# Altium PCB CHILD_BOARD.PcbDoc (part 1 of 2)
Units mm, origin at the board's own origin, x right, y up, seen from the top; angles counter-clockwise.
Board outline 130 x 120 mm, 4 copper layers (Top Layer, GND, PWR, Bottom Layer), stack 1.57 mm thick; 181 components, 106 nets, 543 pads, 39 vias.
Unrouted connection lines stored in the file: 260.
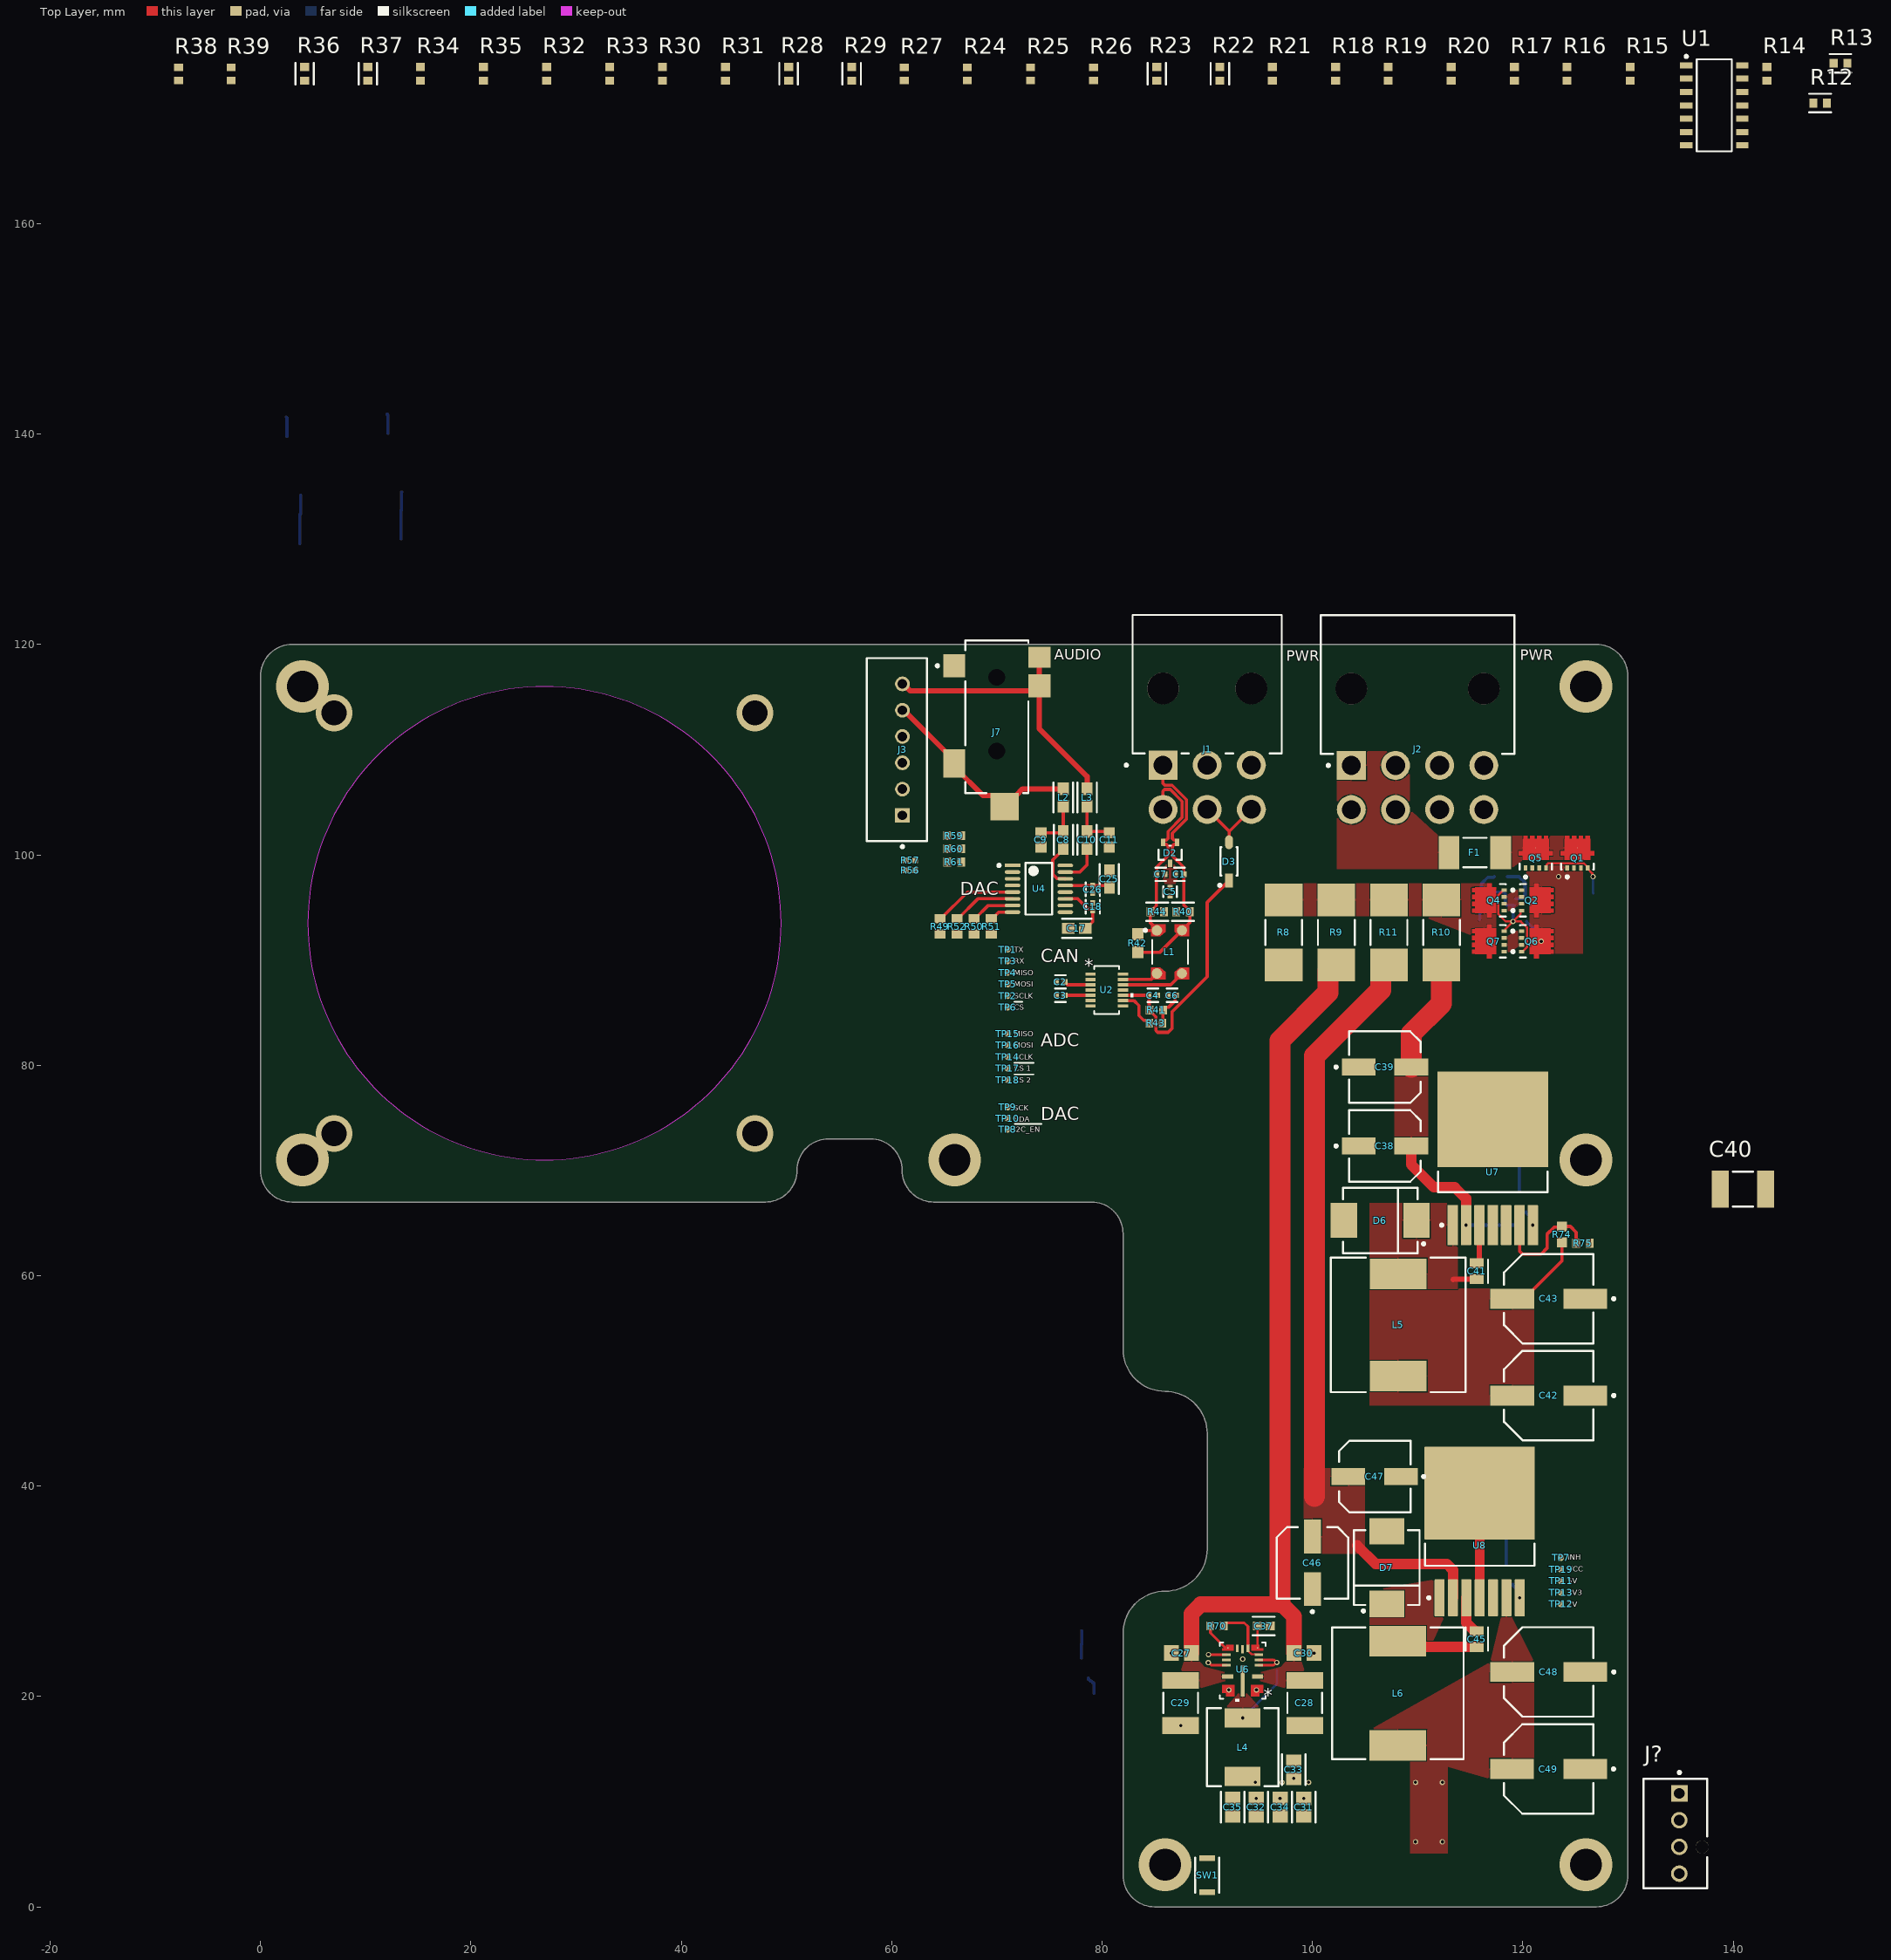
[diagram p0: Top Layer view]
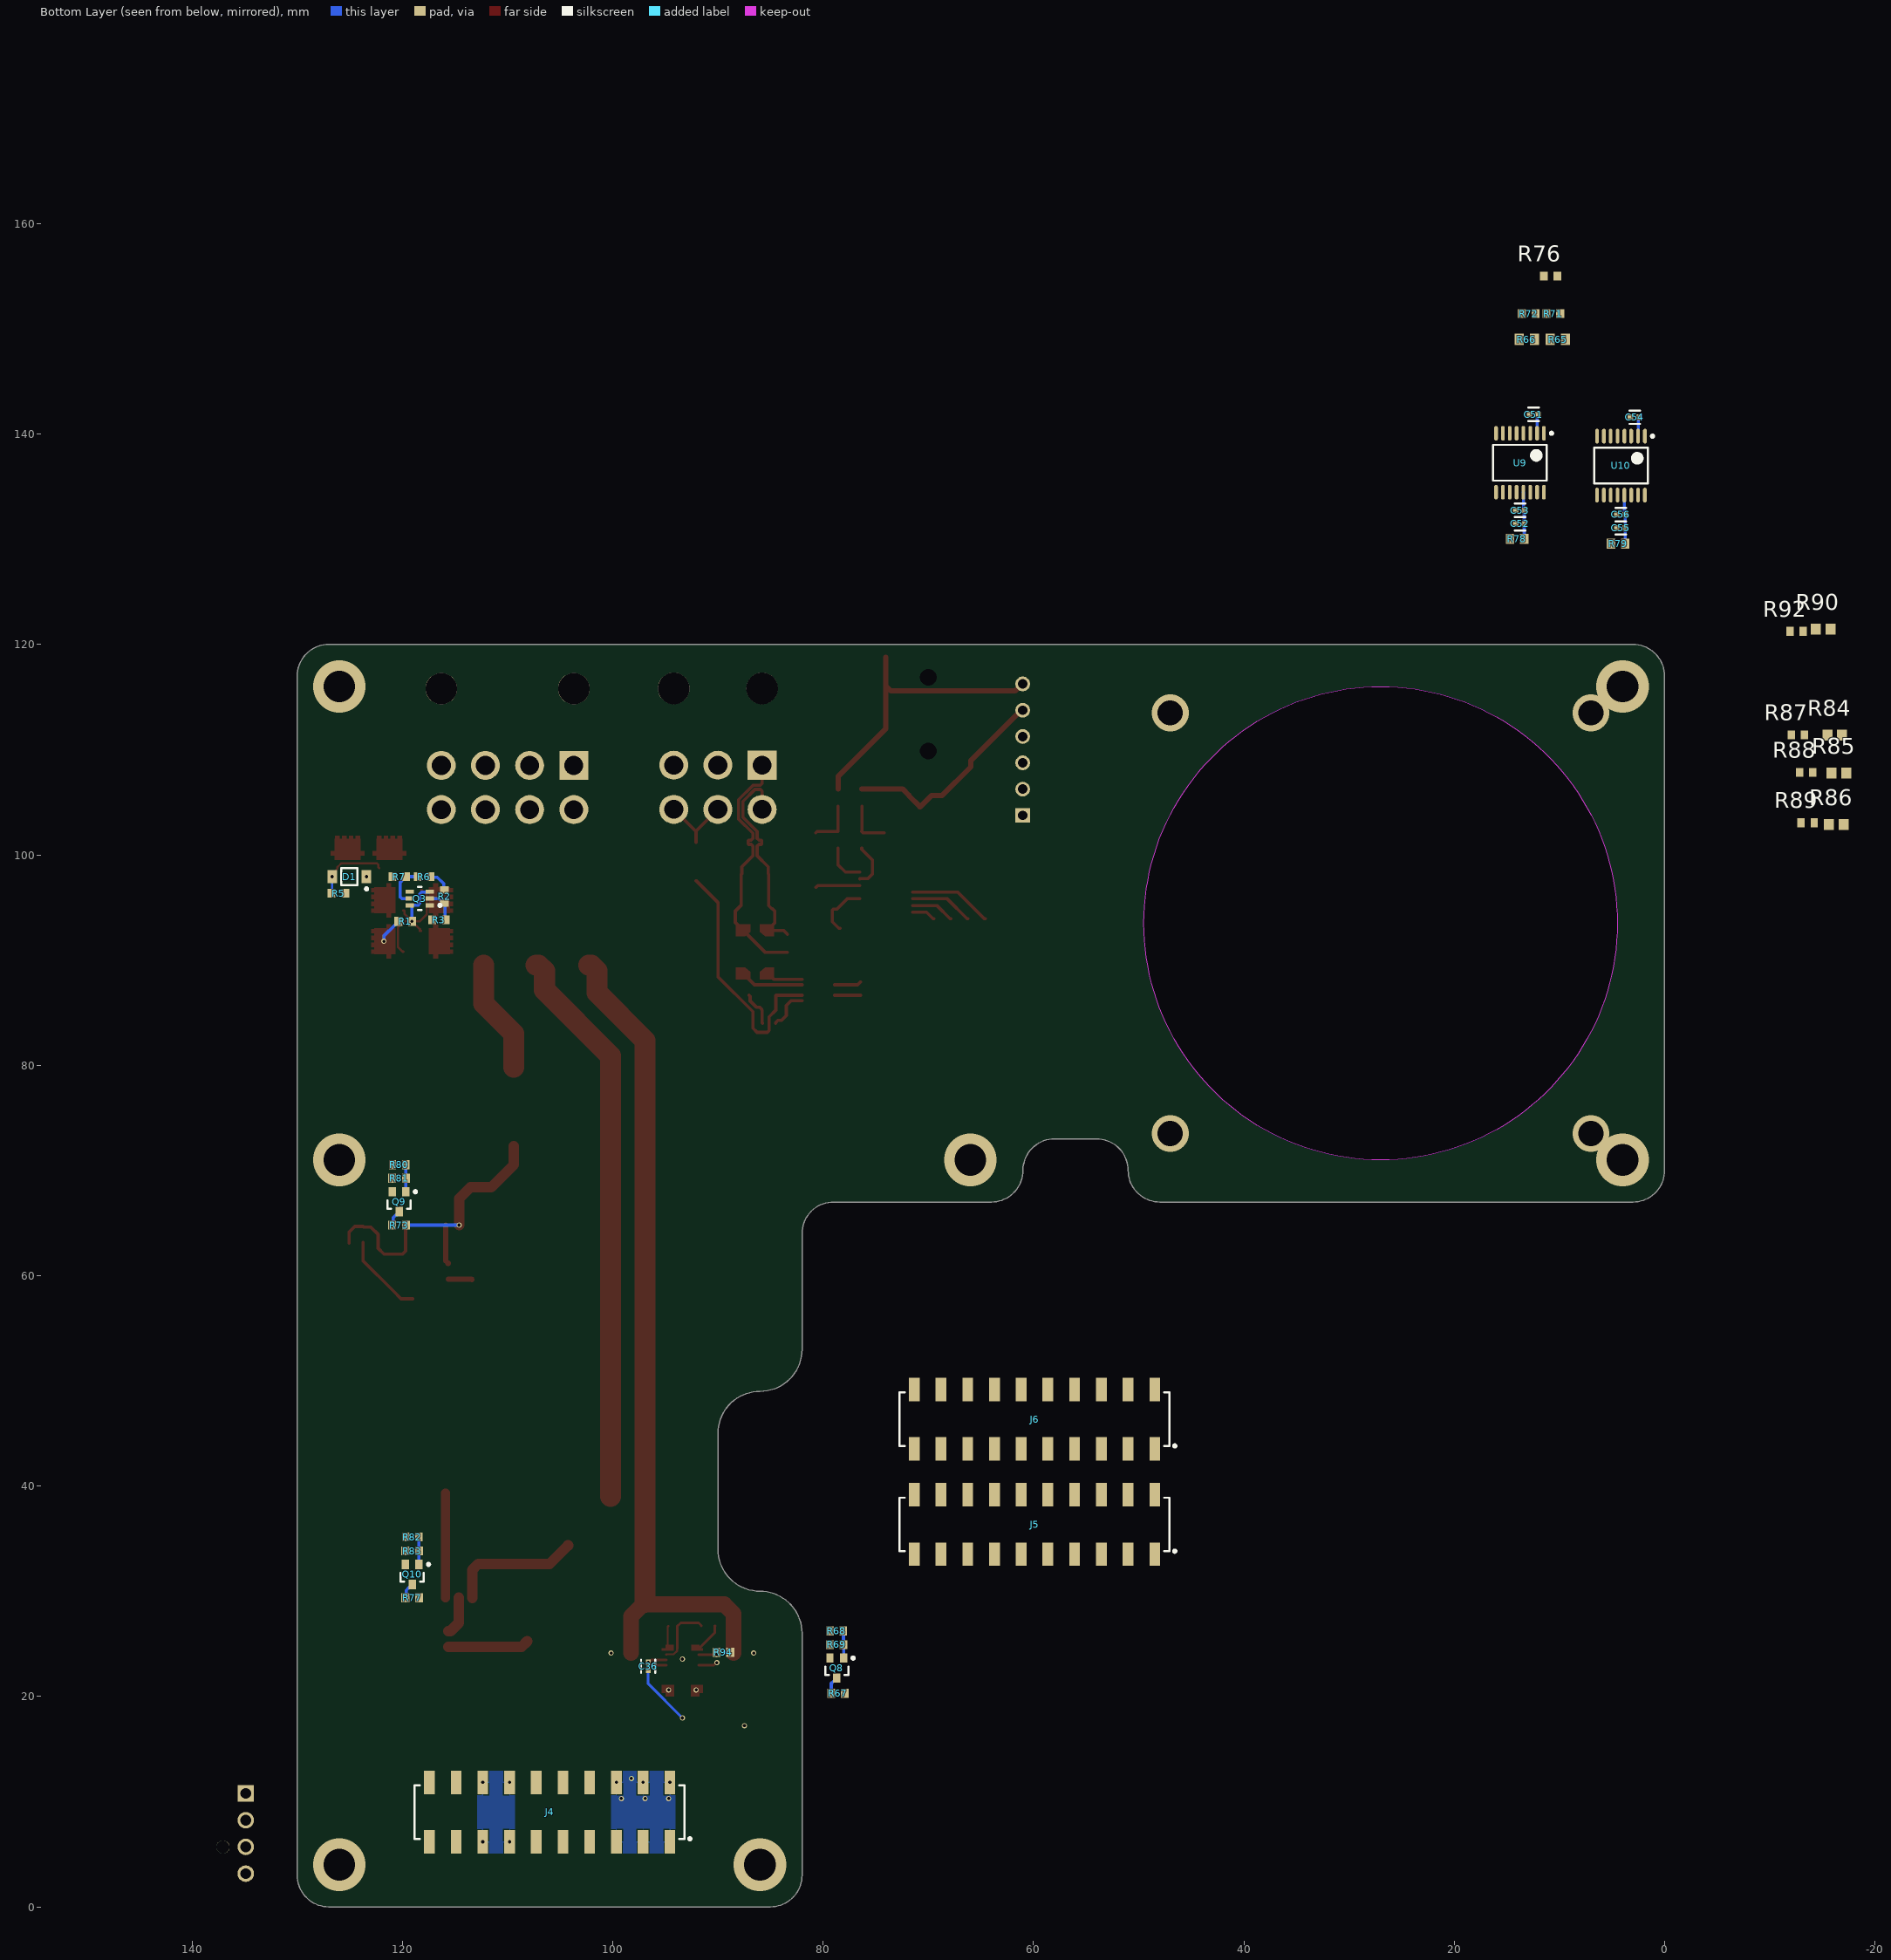
[diagram p1: Bottom Layer view, seen from below]

## Layer stack, top to bottom
Top Solder: solder mask 0.0127, Solder Resist, Dk 3.8
Top Layer: signal copper 0.035
Dielectric 1: prepreg 0.1, 2313, Dk 4.05
GND: signal copper 0.0175
Core: core 1.265, FR-4, Dk 4.5
PWR: signal copper 0.0175
Dielectric 2: prepreg 0.1, 2313, Dk 4.05
Bottom Layer: signal copper 0.035
Bottom Solder: solder mask 0.0127, Solder Resist, Dk 3.8

## Board outline
3,67 48,67 ccw(c48,70) 51,70 cw(c54,70) 54,73 58,73 cw(c58,70) 61,70 ccw(c64,70) 64,67 79,67 cw(c79,64) 82,64 82,53 ccw(c86,53) 86,49 cw(c86,45) 90,45 90,34 cw(c86,34) 86,30 ccw(c86,26) 82,26 82,3 ccw(c85,3) 85,0 127,0 ccw(c127,3) 130,3 130,117 ccw(c127,117) 127,120 3,120 ccw(c3,117) 0,117 0,70 ccw(c3,70)
cut-out: 4.5,93.5 ccw(c27,93.5) 27,71 ccw(c27,93.5) 49.5,93.5 ccw(c27,93.5) 27,116 ccw(c27,93.5)

## Design rules (kind name [scope] priority, off if disabled: settings)
BoardOutlineClearance [All] p1: gap=0.2 ignorepadtopadclearanceinfootprint=FALSE
Clearance [All] p1: gap=0.102 ignorepadtopadclearanceinfootprint=FALSE except(0.127: Arc-Via Track-Via SMDPad-Via THPad-Via Via-Via Via-Fill Via-Poly Via-Region Via-Text; 0.25: Arc-Hole Track-Hole SMDPad-Hole THPad-Hole Via-Hole Fill-Hole Poly-Hole Region-Hole Text-Hole)
ComponentClearance [All] p1: gap=0.102 collisioncheckmode=3 verticalgap=0.102 showdistances=TRUE
DiffPairsRouting [All] p1: maxlimit=0.102 minlimit=0.102 mostfreqgap=0.102 toplayer_minwidth=0.102 toplayer_maxwidth=1816.048 toplayer_prefwidth=0.102 midlayer1_minwidth=0.102 midlayer1_maxwidth=1816.048 midlayer1_prefwidth=0.102 midlayer2_minwidth=0.102 midlayer2_maxwidth=1816.048 midlayer2_prefwidth=0.102 bottomlayer_minwidth=0.102 bottomlayer_maxwidth=1816.048 bottomlayer_prefwidth=0.102 maxuncoupledlength=12.7
Height [All] p1: minheight=0 maxheight=1816.048 prefheight=12.7
HoleSize [All] p1: absolutevalues=TRUE maxlimit=6.3 minlimit=0.2 maxpercent=80.000 minpercent=20.000
HoleToHoleClearance [All] p1: gap=0.25 allowstackedmicrovias=FALSE
MinimumAnnularRing [All] p1: minimumring=0.076
MinimumSolderMaskSliver [All] p1: minsoldermaskwidth=0
PlaneClearance [All] p1: clearance=0.102
PlaneConnect PlaneConnectPowerPads [InPadClass('PowerPads')] p1: planeconnectstyle=Direct reliefexpansion=0.508 reliefentries=4 reliefconductorwidth=0.254 reliefairgap=0.254
PlaneConnect [All] p2: pad.planeconnectstyle=Relief pad.reliefexpansion=0.3 pad.reliefentries=4 pad.reliefconductorwidth=0.102 pad.reliefairgap=0.102 via.planeconnectstyle=Direct via.reliefexpansion=0.3 via.reliefentries=4 via.reliefconductorwidth=0.127 via.reliefairgap=0.127
PolygonConnect PolygonConnectPowerPads [All vs (InPadClass('PowerPads'))] p1: connectstyle=Direct reliefconductorwidth=0.254 reliefentries=4 polygonreliefangle="90 Angle" airgapwidth=0.254
PolygonConnect [All] p2: thpad.connectstyle=Relief thpad.reliefconductorwidth=0.102 thpad.reliefentries=4 thpad.polygonreliefangle="90 Angle" thpad.airgapwidth=0.102 smdpad.connectstyle=Relief smdpad.reliefconductorwidth=0.102 smdpad.reliefentries=4 smdpad.polygonreliefangle="90 Angle" smdpad.airgapwidth=0.102 via.connectstyle=Direct via.reliefconductorwidth=0.127 via.reliefentries=4 via.polygonreliefangle="90 Angle" via.airgapwidth=0.127
RoutingVias [All] p1: holewidth=0.2 width=0.45 viastyle="Through Hole" minholewidth=0.2 minwidth=0.45 maxholewidth=6.3 maxwidth=6.55
SilkToSilkClearance [All] p1: silktosilkclearance=0
SilkToSolderMaskClearance [IsPad] p1: minsilkscreentomaskgap=0.102 clearancetoexposedcopper=TRUE
SolderMaskExpansion [All] p1: expansion=0.075 istentingtop=FALSE
Width [All] p1: maxlimit=1816.048 minlimit=0.102 preferedwidth=0.102
20 further rules are at their usual default settings.

## Classes and differential pairs
component class FAN_IF: J?
net class 120DIFF: CAN_N CAN_P PRE_CAN1_N PRE_CAN1_P
component class PWR_MGMT: D1 F1 Q1 Q2 Q3 Q4 Q5 Q6 Q7 R1 R2 R3 R5 R6 R7 R8 R9 R10 R11 R12 R13 R14 R15 R16 R17 R18 R19 R20 R21 R22 R23 R24 R25 R26 R27 R28 R29 R30 R31 R32 R33 R34 R35 R36 R37 R38 R39 TP19 U1
component class CHILD_BOARD: J1 J2 J4 J5 J6
component class CAN: C1 C2 C3 C4 C5 C6 C7 D2 D3 L1 R40 R41 R42 R43 R44 SW1 TP1 TP2 TP3 TP4 TP5 TP6 TP7 U2
component class DAC: C8 C9 C10 C11 C17 C18 C25 C26 J3 J7 L2 L3 R49 R50 R51 R52 R56 R57 R59 R60 R61 TP8 TP9 TP10 U4
component class ADC: C51 C52 C53 C54 C55 C56 R78 R79 R84 R85 R86 R87 R88 R89 R90 R92 TP14 TP15 TP16 TP17 TP18 U9 U10
component class 5V_MAIN: C27 C28 C29 C30 C31 C32 C33 C34 C35 C36 C37 L4 Q8 R65 R66 R67 R68 R69 R70 R94 TP11 U6
component class 5V_AUX: C38 C39 C40 C41 C42 C43 D6 L5 Q9 R71 R72 R73 R74 R75 R80 R81 TP12 U7
component class 3V3_AUX: C45 C46 C47 C48 C49 D7 L6 Q10 R76 R77 R82 R83 TP13 U8
differential pair CAN: +CAN_P -CAN_N
differential pair PRE_CAN1: +PRE_CAN1_P -PRE_CAN1_N

## Components (designator, comment, footprint, x,y, rotation, side; value= is the part's Value field where it differs from the comment)
C1 "C0402C104K8PACTU" FP-C0402-BB-MFG 87.375,98.15 r180 top value="0.10 μF"
C2 "C0402C104K8PACTU" FP-C0402-BB-MFG 76.05,87.925 r0 top value="0.10 μF"
C3 "C0402C104K8PACTU" FP-C0402-BB-MFG 76.05,86.65 r0 top value="0.10 μF"
C4 "C0402C104K8PACTU" FP-C0402-BB-MFG 84.85,86.65 r180 top value="0.10 μF"
C5 "C0402C104K8PACTU" FP-C0402-BB-MFG 86.475,96.5 r90 top value="0.10 μF"
C6 "C0402C104K8PACTU" FP-C0402-BB-MFG 86.65,86.65 r0 top value="0.10 μF"
C7 "C0402C104K8PACTU" FP-C0402-BB-MFG 85.575,98.15 r180 top value="0.10 μF"
C8 "GRM188R60J106ME47D" FP-GRM188-0_1-e0_2_0_55-IPC_A 76.325,101.423 r90 top
C9 "0603 CAP" CAPC1608X90X40ML10T20 74.2,101.423 r90 top
C10 "GRM188R60J106ME47D" FP-GRM188-0_1-e0_2_0_55-IPC_A 78.575,101.423 r90 top
C11 "0603 CAP" CAPC1608X90X40ML10T20 80.7,101.423 r90 top
C17 "GRM188R60J106ME47D" FP-GRM188-0_1-e0_2_0_55-IPC_A 77.6,93.025 r0 top
C18 "C1005X7R1H104K050BB" FP-C1005-050-0_05-IPC_C 79.125,95.075 r270 top
C25 "GRM188R60J106ME47D" FP-GRM188-0_1-e0_2_0_55-IPC_A 80.7,97.7 r270 top
C26 "C1005X7R1H104K050BB" FP-C1005-050-0_05-IPC_C 79.125,96.725 r90 top
C27 "GRM219R61E106KA12D" CAPC2013X95X45ML10T25 87.55,24.125 r0 top
C28 "CAP 470nF 50V 1812(4532)" CAPC1812(4532)125_M 99.275,19.375 r90 top value=470nF
C29 "CAP 470nF 50V 1812(4532)" CAPC1812(4532)125_M 87.475,19.375 r90 top value=470nF
C30 "GRM219R61E106KA12D" CAPC2013X95X45ML10T25 99.2,24.125 r180 top
C31 "GRM21BR61E226ME44L" FP-GRM21B-0_2-e0_2_0_7-IPC_B 99.175,9.475 r270 top
C32 "GRM21BR61E226ME44L" FP-GRM21B-0_2-e0_2_0_7-IPC_B 94.675,9.475 r270 top
C33 "GRM21BR61E226ME44L" FP-GRM21B-0_2-e0_2_0_7-IPC_B 98.225,13.024 r90 top
C34 "GRM21BR61E226ME44L" FP-GRM21B-0_2-e0_2_0_7-IPC_B 96.925,9.475 r270 top
C35 "GRM21BR61E226ME44L" FP-GRM21B-0_2-e0_2_0_7-IPC_B 92.425,9.475 r270 top
C36 "C1005X7R1H104K050BB" FP-C1005-050-0_05-IPC_C 96.625,22.858 r90 bottom
C37 "UMK107AB7105KA-T" FP-0603-L_1_6_0_15-W_0_8-IPC_C 95.375,26.7 r0 top
C38 "EEHZA1V680XP" FP-EEH-D8-MFG 106.9,72.325 r0 top
C39 "EEHZA1V680XP" FP-EEH-D8-MFG 106.9,79.825 r0 top
C40 "CAP 470nF 50V 1812(4532)" CAPC1812(4532)125_M 140.925,68.225 r0 top value=470nF
C41 "C0805C103J5RACTU" FP-C0805C-DN-MFG 115.625,60.425 r270 top value="10,000 pF"
C42 "16SVPC120M" FP-OS-CON-SMT-E7-MFG 122.475,48.6 r180 top
C43 "16SVPC120M" FP-OS-CON-SMT-E7-MFG 122.475,57.8 r180 top
C45 "C0805C103J5RACTU" FP-C0805C-DN-MFG 115.625,25.45 r270 top value="10,000 pF"
C46 "EEHZA1V680XP" FP-EEH-D8-MFG 100,32.7 r90 top
C47 "EEHZA1V680XP" FP-EEH-D8-MFG 105.925,40.9 r180 top
C48 "16SVPC120M" FP-OS-CON-SMT-E7-MFG 122.475,22.325 r180 top
C49 "16SVPC120M" FP-OS-CON-SMT-E7-MFG 122.45,13.1 r180 top
C51 "C0402C104K8PACTU" FP-C0402-BB-MFG 12.45,141.875 r0 bottom value="0.10 μF"
C52 "C0402C104K8PACTU" FP-C0402-BB-MFG 13.75,131.475 r0 bottom value="0.10 μF"
C53 "C0402C104K8PACTU" FP-C0402-BB-MFG 13.75,132.75 r0 bottom value="0.10 μF"
C54 "C0402C104K8PACTU" FP-C0402-BB-MFG 2.85,141.6 r0 bottom value="0.10 μF"
C55 "C0402C104K8PACTU" FP-C0402-BB-MFG 4.15,131.075 r0 bottom value="0.10 μF"
C56 "C0402C104K8PACTU" FP-C0402-BB-MFG 4.15,132.35 r0 bottom value="0.10 μF"
D1 "MMSZ5242BT1G" ONSC-SOD-123-2-425-04_V 125.04,97.925 r0 bottom
D2 "ESDCAN02-2BWY" FP-SOT323-3L-MFG 86.475,100.2 r270 top value=3pF
D3 "1N4148W-TP" FP-SOD-123-IPC_A 92.075,99.375 r90 top
D6 "B540C-13-F" FP-SMC-MFG 106.45,65.25 r180 top value=300pF
D7 "B540C-13-F" FP-SMC-MFG 107.075,32.25 r90 top value=300pF
F1 "0679L9150-01" FP-0679L-MFG 115.45,100.225 r0 top value=0.0038Ω
J1 "455580003" FP-455580003-MFG 90,116.025 r0 top
J2 "45586-0005" FP-45586-0005-MFG 110,116 r0 top locked
J3 "B6B-XH-A(LF)(SN)" FP-B6B-XH-A_LF_SN-MFG 60.5,110 r90 top
J4 "SSM-110-L-DV" SMTC-SSM-110-X-DV 106,9 r0 bottom locked
J5 "SSM-110-L-DV" SMTC-SSM-110-X-DV 59.9,36.35 r0 bottom
J6 "SSM-110-L-DV" SMTC-SSM-110-X-DV 59.9,46.35 r0 bottom
J7 "35RASMT4BHNTRX" SWIT-35RASMT4BHNTRX_V 70,111.675 r270 top
J? "47053-1000" FP-470531000-MFG 134.507,6.963 r90 top
L1 "SRF4532-510Y" FP-SRF4532-MFG 86.475,90.775 r270 top
L2 "LQG18HN2N2S00D" FP-LQG18HH_00-IPC_A 76.318,105.454 r90 top
L3 "LQG18HN2N2S00D" FP-LQG18HH_00-IPC_A 78.581,105.457 r90 top
L4 "SPM6530T-2R2M" FP-SPM6530-MFG 93.375,15.175 r270 top value=2.2uH
L5 "SRR1260-150M" FP-SRR1260-MFG 108.15,55.325 r270 top
L6 "74477110" WE-PD-L 108.125,20.3 r270 top
Q1 "SISH615ADN-T1-GE3" SISH615ADN-T1-GE3-Footprint-1 125.162,100.15 r0 top
Q2 "SISH615ADN-T1-GE3" SISH615ADN-T1-GE3-Footprint-1 121.3,95.712 r270 top
Q3 "SSM6N7002KFU,LF" FP-SSOP6-P-0_65A-MFG 118.35,95.85 r0 bottom
Q4 "SISH615ADN-T1-GE3" SISH615ADN-T1-GE3-Footprint-1 116.825,95.637 r90 top
Q5 "SISH615ADN-T1-GE3" SISH615ADN-T1-GE3-Footprint-1 121.2,100.15 r0 top
Q6 "SISH615ADN-T1-GE3" SISH615ADN-T1-GE3-Footprint-1 121.3,91.812 r270 top
Q7 "SISH615ADN-T1-GE3" SISH615ADN-T1-GE3-Footprint-1 116.825,91.737 r90 top
Q8 "BSS138W-7-F" DIOD-SOT323-3_V 78.7,22.7 r270 bottom
Q9 "BSS138W-7-F" DIOD-SOT323-3_V 120.31,67.025 r270 bottom
Q10 "BSS138W-7-F" DIOD-SOT323-3_V 119.063,31.599 r270 bottom
R1 "ERJ3EKF1002V" RESC1609X55X30LL15T15 119.725,93.675 r180 bottom
R2 "ERJ-3EKF1001V" RESC1608X55X30LL15T15 116,96.025 r270 bottom